# Altium PCB PiMX8MPIO_r0.1.PcbDoc (part 4 of 5) (continued)
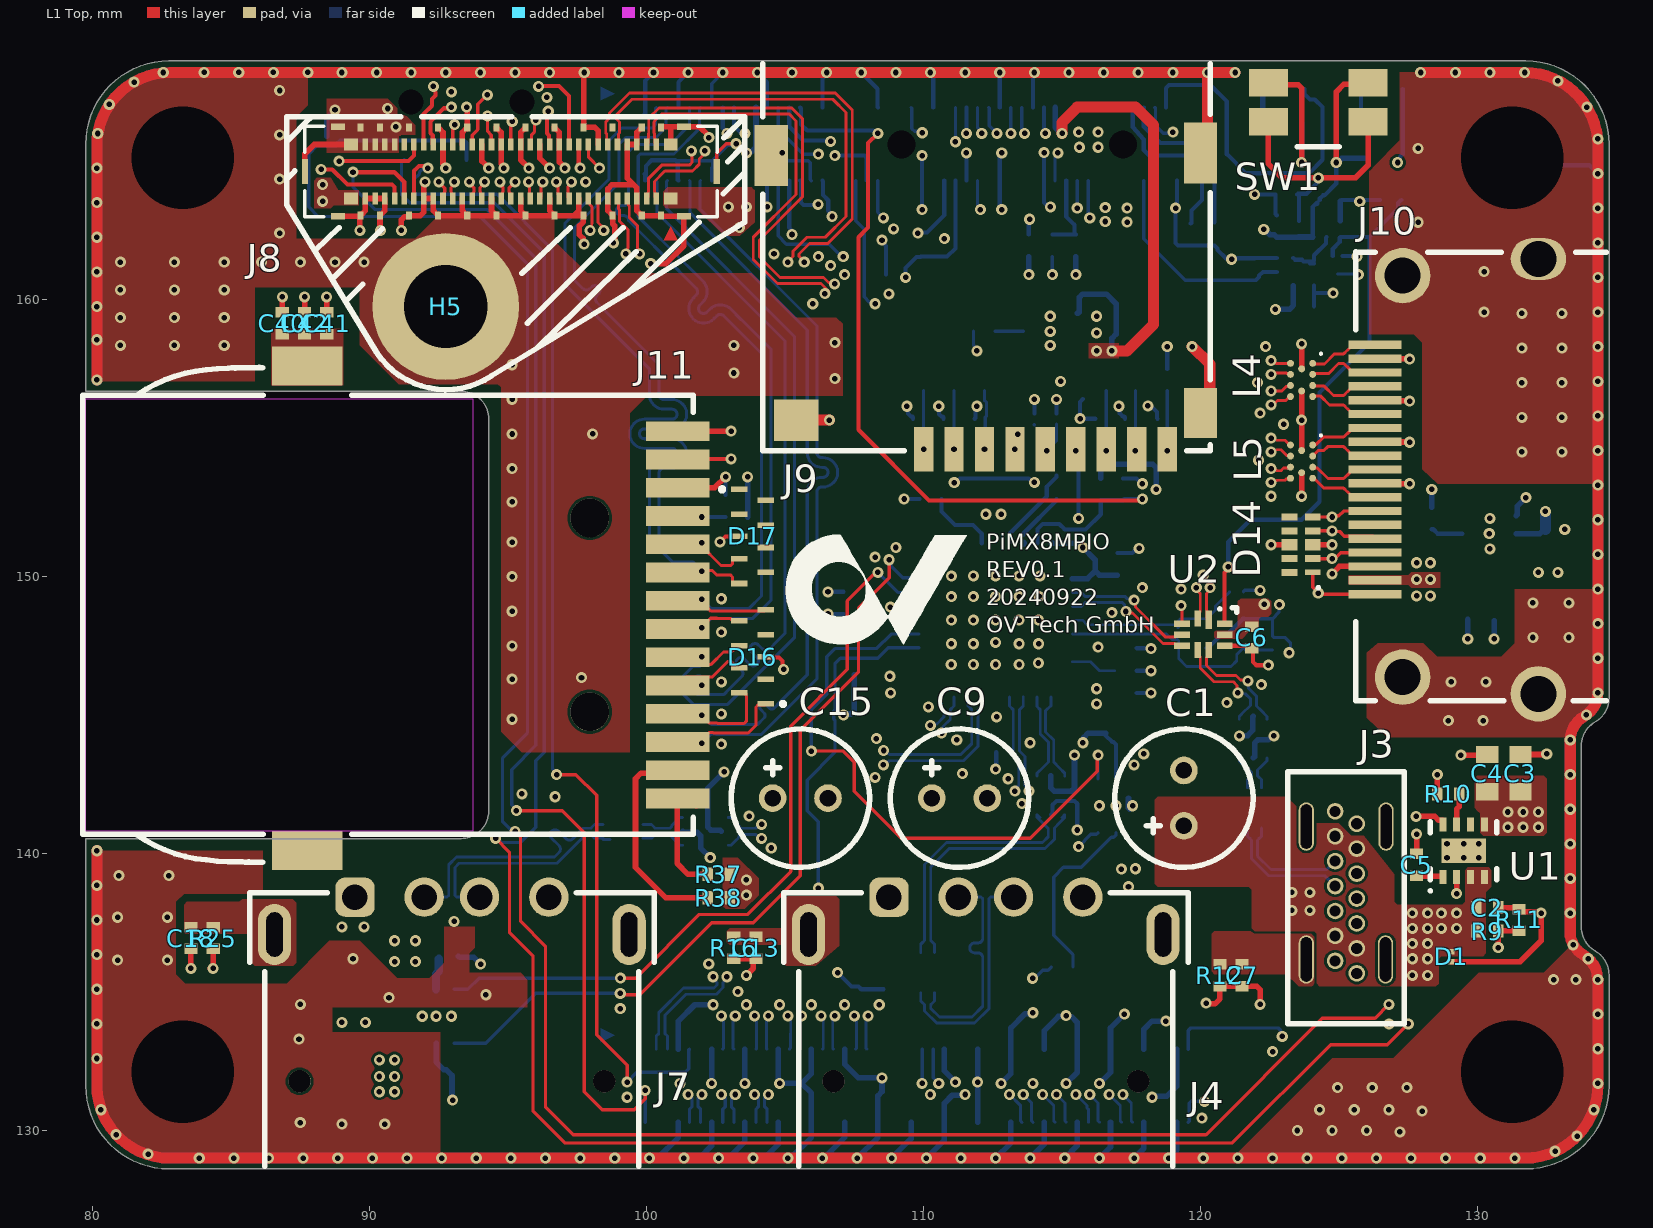
[diagram p0: L1 Top view]
## Nets (pads, with @x,y where several pads share a name; then routed paths per layer and width w, separated by ;. In a path a pad name is that pad's centre, name@x,y a point inside that pad or via, vN(x,y) a via of type N, cw(c..) or ccw(c..) an arc to the next point about the centre after c; other vN are vias at no path point) (continued)
  L3 SIG w0.102: v1(106.79,160.561) 106.838,160.513 106.838,160.313 107.562,159.588 107.562,148.034 107.988,147.609 109.238,147.609 109.362,147.484 110.738,146.109 110.862,145.984 110.862,144.749 110.703,144.589 110.703,144.399 v1(110.65,144.346)
  L8 SIG w0.103: v1(110.65,144.346) 110.707,144.403 110.707,144.585 110.962,144.84 110.962,145.188 111.1,145.326 U4.8@111.1,145.646
USB_FPC2_P: J8.2 U4.9 | length 35.6
  L1 Top w0.103: J8.2@100.35,165.596 100.302,165.645 100.302,165.815 100.287,165.83 100.287,165.999 100.273,166.013 100.273,166.41 100.287,166.423 100.287,166.446 100.537,166.696 105.15,166.696 105.4,166.446 105.4,163.796 103.85,162.246 103.85,161.446 104.723,160.573 106.294,160.573 v1@106.561,160.307
  L3 SIG w0.102: v1(106.44,160.211) 106.488,160.163 106.688,160.163 107.35,159.501 107.35,147.946 107.9,147.396 109.15,147.396 109.5,147.046 109.536,147.01 109.785,146.761 cw(c109.661,146.636) 109.785,146.512 109.668,146.395 ccw(c109.793,146.27) 109.668,146.146 ccw(c109.793,146.27) 109.918,146.146 110.035,146.263 cw(c110.159,146.138) 110.284,146.263 110.614,145.932 110.65,145.896 110.65,144.837 110.487,144.674 110.297,144.674 v1(110.244,144.621)
  L8 SIG w0.103: v1(110.244,144.621) 110.301,144.678 110.483,144.678 110.738,144.933 110.738,145.188 110.6,145.326 U4.9@110.6,145.646
USB_HSD1_N: U2.4 U4.30 | length 4.8
  L1 Top w0.103: v1(117.6,149.146) 117.65,149.097 117.65,148.901 118.742,147.808 119.075,147.808 119.163,147.896 U2.4@119.332,147.896
  L8 SIG w0.103: U4.30@115.375,149.421 115.696,149.421 115.834,149.283 117.267,149.283 117.354,149.196 117.55,149.196 v1(117.6,149.146)
USB_HSD1_P: U2.5 U4.31 | length 4.8
  L1 Top w0.103: v1(117.303,148.735) 117.353,148.685 117.549,148.685 118.65,147.585 119.075,147.585 119.163,147.496 U2.5@119.332,147.496
  L8 SIG w0.103: U4.31@115.375,148.921 115.696,148.921 115.834,149.06 117.175,149.06 117.253,148.981 117.253,148.785 v1(117.303,148.735)
USB_HSD2_CON_N: J3.A7 J3.B7 L1.1 | length 7.8
  L3 SIG w0.102: J3.A7@124.86,139.721 125.875,139.721 126.1,139.496 126.1,137.931 J3.B7@125.64,137.471
  L8 SIG w0.103: L1.1@122.2,140.921 122.2,140.621 122.127,140.548 122.122,140.548 122.062,140.488 122.062,139.901 122.543,139.42 124.558,139.42 J3.A7@124.86,139.721
USB_HSD2_CON_P: J3.A6 J3.B6 L1.4 | length 5.6
  L3 SIG w0.102: J3.A6@124.86,138.821 124.913,138.768 125.243,138.768 J3.B6@125.64,138.371
  L8 SIG w0.103: L1.4@121.7,140.921 121.7,140.621 121.773,140.548 121.778,140.548 121.838,140.488 121.838,139.808 122.45,139.196 124.485,139.196 J3.A6@124.86,138.821
USB_HSD2_ESD_N: D3.1 L1.2 | length 1.3
  L8 SIG w0.103: L1.2@122.2,142.371 122.2,142.671 122.127,142.745 122.122,142.745 122.062,142.805 122.062,143.008 122.192,143.138 122.4,143.346 D3.1@122.4,143.446
USB_HSD2_ESD_P: D3.3 L1.3 | length 1.3
  L8 SIG w0.103: D3.3@121.4,143.446 121.4,143.346 121.608,143.138 121.691,143.055 121.728,143.055 121.838,142.944 121.838,142.805 121.778,142.745 121.773,142.745 121.7,142.671 L1.3@121.7,142.371
USB_HSD2_N: D3.6 U2.6 | length 4
  L1 Top w0.103: U2.6@120.3,147.346 120.3,147.177 120.212,147.089 120.212,146.785 120.577,146.42 121.28,146.42 121.441,146.26 121.678,146.26 v1(121.707,146.231)
  L8 SIG w0.103: v1(121.707,146.231) 121.736,146.202 121.736,145.964 122.023,145.677 122.023,145.323 122.192,145.155 122.4,144.946 D3.6@122.4,144.846
USB_HSD2_P: D3.4 U2.7 | length 4
  L1 Top w0.103: U2.7@119.9,147.346 119.9,147.177 119.988,147.089 119.988,146.692 120.484,146.196 121.188,146.196 121.321,146.063 121.321,145.825 v1(121.35,145.796)
  L8 SIG w0.103: v1(121.35,145.796) 121.379,145.768 121.617,145.768 121.8,145.584 121.8,145.346 121.692,145.238 121.608,145.155 121.4,144.946 D3.4@121.4,144.846
USB_HUB_NRESET: C19.1 J1.29 R24.1 U4.26 | length 31.1
  L1 Top w0.15: v1(108.35,165.996) 108,165.646 108,162.596 107.65,162.246 107.65,155.296 110.2,152.746 117.737,152.746 117.739,152.749 117.852,152.749 v1(117.9,152.796)
  L8 SIG w0.15: J1.29@105.55,166.932 105.575,166.907 105.575,166.321 105.8,166.096 108.182,166.096 108.282,165.996 v1(108.35,165.996) ; U4.26@114.1,151.196 114.114,151.21 114.114,151.709 114.302,151.896 114.9,151.896 115.1,151.696 115.85,151.696 116.4,152.246 R24.1@116.4,152.751 C19.1@117.2,152.751 117.245,152.796 v1(117.9,152.796)
USB_MUX_SEL: Q1.1 R19.2 U2.10 U8.5 | length 20.9
  L1 Top w0.15: U2.10@120.868,148.296 120.868,150.147 121,150.279 v1(121,150.346)
  L8 SIG w0.15: v1(121,150.346) 121,151.246 121.8,152.046 123.65,152.046 124.3,152.696 124.3,156.646 126.1,158.446 126.1,162.256 ; Q1.1@124.775,161.571 124.775,161.821 125.025,162.071 125.025,162.231 U8.5@125.05,162.256 126.1,162.256 ; R19.2@127.245,163.596 127.13,163.481 127.13,163.286 126.1,162.256
USB_RBIAS: R27.2 U4.35 | length 1.7
  L8 SIG w0.1: U4.35@115.375,146.921 116.025,146.921 116.35,146.596 R27.2@116.905,146.596
USB_XTAL_IN: C24.1 R26.1 U4.33 XTAL1.1 | length 8.5
  L8 SIG w0.1: U4.33@115.375,147.921 118.775,147.921 118.975,147.721 119.166,147.721 R26.1@119.216,147.671 119.216,147.03 119.5,146.746 121.1,146.746 121.309,146.955 121.309,147.186 121.544,147.421 121.619,147.346 C24.1@122.6,147.346
USB_XTAL_OUT: C25.1 R26.2 U4.32 XTAL1.3 | length 6.6
  L8 SIG w0.1: U4.32@115.375,148.421 115.734,148.421 115.899,148.256 119.131,148.256 R26.2@119.216,148.171 ; R26.2@119.191,148.146 119.201,148.156 119.201,148.398 119.275,148.471 XTAL1.3@120.225,148.471 120.541,148.788 120.541,148.938 120.95,149.346 120.965,149.346 121.05,149.431 C25.1@121.05,149.446
VBUS: C1.1 C2.1 D1.1 D3.2 J3.A4 J3.A9 J3.B4 J3.B9 R9.2 U1.3 U1.4 | length 7.5
  L5 (PWR) w0.2: v1(122.65,144.246) 122.62,144.216 122.62,143.969 122.45,143.799 122.45,139.396 123.25,138.596 v1(123.302,138.596)
  L8 SIG w0.2: D3.2@121.9,143.446 121.95,143.496 121.95,143.979 122.067,144.096 122.446,144.096 122.596,144.246 v1(122.65,144.246)
  other v1: 127.65,135.596 128.2,135.596 127.65,136.196 128.2,136.196 127.65,136.746 128.2,136.746 127.65,137.296 128.2,137.296 128.7,137.296 129.25,137.296 127.65,137.846 128.2,137.846 128.7,137.846 129.25,137.846 123.302,137.946 123.95,137.946 123.95,138.596
VBUS_DS1: C9.1 C10.1 C11.1 D4.5 J4.1 U3.1 | length 9.5
  L3 SIG w0.2: v1(115.45,143.546) 115.45,143.146 115.9,142.696 117.8,142.696 118.35,142.146 118.35,140.896 117.169,139.715 117.169,139.463 v1(117.141,139.436)
  L8 SIG w0.2: D4.5@114.6,142.796 114.6,142.364 114.717,142.246 115.333,142.246 115.45,142.364 v1@115.45,143.529
  other v1: 117.4,138.796 117.65,139.446
VBUS_DS2: C15.1 C16.1 C17.1 D5.5 J7.1 U5.1 | length 4.9
  L5 (PWR) w0.2: v1(102.8,142.946) 103.75,141.996 C15.1@104.55,141.996
  L8 SIG w0.2: D5.5@102.7,140.796 102.655,140.842 102.321,140.842 102.204,140.959 102.204,142.35 v1(102.8,142.946)
  other v1: 90.9,136.096 91.65,136.096 90.9,136.846 91.65,136.846 89,137.346 89.8,137.346
pads on no net: D14.6 D14.7 D14.9 D14.10 D16.2 D16.4 D17.1 D17.2 D17.6 D17.7 D17.8 D17.9 J1.16 J1.18 J1.19 J1.20 J1.31 J1.35 J1.36 J1.37 J1.38 J1.39 J1.41 J1.45 J1.46 J1.47 J1.48 J1.50 J1.51 J1.54 J1.55 J1.64 J1.68 J1.70 J1.72 J1.94 J1.96 J2.1 J2.4 J2.6 J2.11 J2.28 J2.30 J2.34 J2.36 J2.40 J2.42 J2.43 J2.45 J2.46 J2.47 J2.48 J2.49 J2.52 J2.54 J2.57 J2.58 J2.59 J2.60 J2.63 J2.64 J2.65 J2.66 J2.69 J2.71 J2.75 J2.77 J2.81 J2.83 J2.87 J2.89 J2.93 J2.94 J2.95 J2.96 J3.A5 J3.B5 J4.MH1 J4.MH2 J7.MH1 J7.MH2 J8.54 J9.19 J10.14 J11.MH1 J11.MH2 J11.Shell@87.75,140.102 SW_ON.22 SW_ON.MT U1.6 U4.11 U4.18 U4.19 U4.20 U4.21 U4.28 U6.3 U7.3 U8.3 U9.1 U9.5

## Polygon pours and split planes (outlines as drawn)
VBUS_DS1 on L8 SIG "NONET_L04_P-001" (solid, pour order 69): 117.7,141.046 117.5,141.046 117.4,140.946 117.4,140.519 116.8,140.052 116.8,138.496 118.15,138.496 118.15,140.296 117.8,140.646 117.8,140.946
GND on L8 SIG "NONET_L04_P-001" (solid, pour order 85): 127.2,168.196 127.2,165.746 126.1,164.646 126.1,158.746 127.7,158.746 128,158.446 128,153.878 128.561,153.346 134.3,153.346 134.35,153.296 134.35,165.796 133.95,166.946 133,167.896 131.7,168.196
GND on L8 SIG "NONET_L04_P-001" (solid, pour order 86): 87.774,168.201 82.554,168.201 81.4,167.846 80.184,166.63 80.184,157.063 80.2,157.046 85.85,157.046 85.85,160.446 89.65,160.446 89.65,158.346 91.05,156.946 94.632,156.946 94.75,156.828 94.75,144.396 95.5,144.396 95.55,160.946 93.8,162.696 92.14,162.696 91.64,162.196 87.35,162.196 87.35,166.596 87.774,167.02
GND on L8 SIG "NONET_L04_P-001" (solid, pour order 88): 133.4,136.696 132.4,135.696 130.05,135.696 126.95,132.596 124.75,132.596 121.349,129.196 121.349,129 131.349,129 132.8,129.246 133.599,129.796 134.2,130.746 134.35,131.696 134.35,135.446 133.984,136.212 133.5,136.696
GND on L8 SIG "NONET_L04_P-001" (solid, pour order 87): 83.849,129 82,129.146 80.85,129.846 80.15,130.896 80.15,140.096 86.15,140.096 86.15,138.696 86,138.546 83.3,138.546 83,138.246 83,135.646 83.35,135.296 87,135.296 87.2,135.496 88.2,135.496 88.2,133.446 88.85,133.446 88.85,129
VBUS_DS1 on L8 SIG "NONET_L04_P-001" (solid, pour order 54): 109.8,142.546 111,142.546 111,141.646 110.65,141.296 109.9,141.296 109.55,140.946 109.55,136.246 109,135.696 107.45,135.696 107.249,135.898 107.25,136.396 107.4,136.546 107.8,136.546 107.8,139.096 108.2,139.496 108.2,140.946
3V3 on L8 SIG "NONET_L04_P-001" (solid, pour order 32): 113.65,152.996 111.45,152.996 111.35,152.896 111.35,152.096 111.45,151.996 112,151.996 112.067,151.896 112.35,151.896 112.35,150.796 112.45,150.696 112.75,150.696 112.85,150.796 112.85,151.796 113.55,152.496 113.65,152.496 113.7,152.546 113.7,152.946
5V0 on L8 SIG "NONET_L04_P-001" (solid, pour order 27): 115,167.596 115,166.346 115.1,166.246 115.2,166.246 115.3,166.146 115.3,165.292 115.405,165.196 116.5,165.196 116.6,165.296 116.6,165.996 116.75,166.146 116.9,166.146 117,166.246 117.3,166.246 117.4,166.346 117.4,167.596
5V0 on L8 SIG "NONET_L04_P-001" (solid, pour order 53): 117.3,144.796 117.3,143.896 117.3,142.496 117.45,142.346 118.55,142.346 118.6,142.396 118.6,144.646 118.45,144.796
SD_POWER on L8 SIG "NONET_L04_P-001" (solid, pour order 0): 109.55,157.246 109.6,157.196 112.65,157.196 112.75,157.296 112.75,157.746 112.65,157.846 111.5,157.846 111.4,157.946 111.4,159.296 111.5,159.396 113,159.396 113.45,159.846 114.1,159.846 116.5,159.846 116.6,159.746 116.6,158.496 116.5,158.396 115.325,158.396 115.2,158.271 115.2,156.796 115.294,156.697 116,156.696 116.1,156.796 116.1,157.146 116.2,157.246 118,157.246 118.1,157.346 118.1,157.946 118,158.046 117.35,158.046 117.25,158.146 117.25,160.096 117,160.346 109.95,160.346 109.55,159.946
3V3 on L8 SIG "NONET_L04_P-001" (solid, pour order 42): 109.2,146.646 110.3,146.646 110.35,146.596 110.35,146.246 110.2,146.096 109.4,146.096 109.25,145.946 109.25,145.296 109.1,145.146 108.05,145.146 107.95,145.246 107.95,146.746 108.05,146.846 109,146.846
3V3 on L8 SIG "NONET_L04_P-001" (solid, pour order 41): 114.95,146.646 114.85,146.546 114.85,146.296 115,146.146 115.65,146.146 115.7,146.096 115.7,145.246 115.9,145.046 117.1,145.046 117.2,145.146 117.2,146.096 117.1,146.196 116.4,146.196 115.95,146.646
3V3 on L8 SIG "NONET_L04_P-001" (solid, pour order 38): 110.2,149.146 110.35,148.996 110.35,148.346 110.25,148.246 108.4,148.246 108.2,148.046 108.2,147.696 108.05,147.546 107.65,147.546 107.6,147.596 107.6,149.746 107.65,149.796 108.2,149.796 108.35,149.646 108.35,149.446 108.65,149.146
3V3 on L8 SIG "NONET_L04_P-001" (solid, pour order 36): 114.85,147.296 114.95,147.196 116.15,147.196 116.25,147.096 117.1,147.096 117.2,147.196 117.2,147.646 117.1,147.746 116.25,147.746 116.15,147.646 114.95,147.646 114.85,147.546
3V3 on L8 SIG "NONET_L04_P-001" (solid, pour order 34): 112.5,146.146 112.4,146.046 112.4,144.846 112.3,144.746 112.3,144.146 112.35,144.096 112.9,144.096 112.95,144.146 112.95,144.746 112.85,144.846 112.85,146.046 112.75,146.146
1V8 on L8 SIG "NONET_L04_P-001" (solid, pour order 31): 117.05,164.896 117,164.846 117,163.146 117.1,163.046 117.1,162.496 117.6,162.496 117.6,163.046 117.7,163.146 117.7,164.846 117.65,164.896
3V3 on L8 SIG "NONET_L04_P-001" (solid, pour order 29): 116.25,164.896 116.2,164.846 116.2,163.146 116.3,163.046 116.3,162.496 116.8,162.496 116.8,163.046 116.9,163.146 116.9,164.846 116.85,164.896
VBUS_DS2 on L8 SIG "NONET_L04_P-001" (solid, pour order 26): 91.95,134.846 92.05,134.946 92.05,137.196 91.95,137.296 90.46,137.296 90.35,137.406 90.35,139.146 90.25,139.246 88.69,139.246 88.6,139.156 88.6,134.946 88.7,134.846 90.65,134.846
5V0 on L8 SIG "NONET_L04_P-001" (solid, pour order 23): 92,133.396 92,130.846 91.9,130.746 91.6,130.746 90.15,130.746 90.05,130.846 90.05,132.446 90.05,133.396 90.15,133.496 91.05,133.496 91.9,133.496
5V0 on L8 SIG "NONET_L04_P-001" (solid, pour order 22): 131.15,151.196 131.05,151.096 131.05,150.646 131.15,150.546 131.35,150.546 131.75,150.546 131.85,150.446 131.85,149.896 131.95,149.796 133.2,149.796 133.3,149.896 133.3,151.196 133.2,151.296 131.95,151.296 131.85,151.196
HDMI_5V on L8 SIG "NONET_L04_P-001" (solid, pour order 20): 127.55,150.146 127.55,149.696 127.65,149.596 128.95,149.596 129.05,149.496 129.05,148.896 129.15,148.796 131.35,148.796 131.45,148.896 131.45,150.446 131.35,150.546 129.9,150.546 129.9,150.596 129.8,150.696 129.8,151.096 129.7,151.196 128.9,151.196 128.8,151.096 128.8,150.296 128.7,150.196 127.6,150.196
NetC7_1 on L8 SIG "NONET_L04_P-001" (solid, pour order 16): 123.5,140.096 123.4,140.196 123.4,142.296 123.5,142.396 127.15,142.396 127.25,142.296 127.25,134.996 127.15,134.896 123.45,134.896 123.35,134.996 123.35,137.096 123.45,137.196 124.2,137.196 124.3,137.096 124.3,135.346 124.4,135.246 126.15,135.246 126.25,135.346 126.25,141.896 126.15,141.996 124.4,141.996 124.3,141.896 124.3,140.196 124.2,140.096
GND on L8 SIG "NONET_L04_P-001" (solid, pour order 7): 88.625,134.646 88.525,134.546 88.525,133.746 88.625,133.646 90.175,133.646 90.275,133.746 90.275,134.546 90.175,134.646
SD_VCC on L8 SIG "NONET_L04_P-001" (solid, pour order 4): 113.85,158.446 113.8,158.496 113.2,158.496 113.1,158.396 113.1,155.196 113,155.096 113,154.246 113.1,154.146 113.75,154.146 113.85,154.246 113.85,155.146 113.95,155.246 114.1,155.246 114.2,155.346 114.2,155.596 114.1,155.696 113.85,155.696 113.75,155.796 113.75,156.646 113.85,156.746
GND on L8 SIG "NONET_L04_P-001" (solid, pour order 3): 114.15,156.696 115.1,156.696 115.2,156.796 115.2,159.746 115.1,159.846 114.05,159.846 113.95,159.746 113.95,157.646 113.95,157.546 114.05,157.446 114.05,156.796
GND on L8 SIG "NONET_L04_P-001" (solid, pour order 2): 115.35,159.146 115.25,159.046 115.25,158.496 115.35,158.396 116.5,158.396 116.6,158.496 116.6,159.746 116.5,159.846 116.1,159.846 116,159.746 116,159.246 115.9,159.146
GND on L1 Top "NONET_L04_P-001" (solid, pour order 90): 87.774,168.201 82.554,168.201 81.4,167.846 80.184,166.63 80.184,157.063 80.2,157.046 85.85,157.046 85.85,160.446 89.65,160.446 89.65,158.346 91.05,156.946 94.632,156.946 94.75,156.828 94.75,144.396 95.5,143.646 99.4,143.646 99.4,155.896 100.05,156.546 100.075,156.521 107.075,156.521 107.075,159.121 106.85,159.346 105.4,159.346 103.8,160.946 103.7,160.946 97.85,160.946 96.675,162.121 96.675,163.031 92.475,163.031 91.64,162.196 87.35,162.196 87.35,166.596 87.774,167.02
VBUS on L1 Top "NONET_L04_P-001" (solid, pour order 18): 123.1,142.046 118.45,142.046 118.35,141.946 118.35,138.896 118.45,138.796 121.75,138.796 121.85,138.696 121.85,137.296 121.95,137.196 124.1,137.196 124.2,137.096 124.2,135.309 124.29,135.196 128.5,135.196 128.6,135.296 128.6,136.196 128.7,136.296 130.2,136.296 130.3,136.396 130.3,138.596 130.5,138.796 130.5,139.396 130.4,139.496 129.65,139.496 129.55,139.396 129.55,138.246 129.45,138.146 127.1,138.146 127,138.246 127,139.246 125.9,140.646 125.45,140.646 125,141.096 123.95,141.096 123.45,141.596 123.45,141.696
NetC13_1 on L1 Top "NONET_L04_P-001" (solid, pour order 25): 103,137.296 102.9,137.196 102.9,136.796 103,136.696 104.85,136.696 104.95,136.596 104.95,136.046 105.05,135.946 105.8,135.946 106.105,135.946 106.95,136.662 106.95,138.346 106.85,138.446 105.1,138.446 105,138.346 105,137.446 104.85,137.296
GND on L1 Top "NONET_L04_P-001" (solid, pour order 89): 127.2,168.196 127.2,165.746 126.1,164.646 126.1,158.746 127.7,158.746 128,158.446 128,153.878 128.561,153.346 134.3,153.346 134.35,153.296 134.35,165.796 133.95,166.946 133,167.896 131.7,168.196
GND on L1 Top "NONET_L04_P-001" (solid, pour order 92): 133.4,136.696 132.4,135.696 130.05,135.696 126.95,132.596 124.75,132.596 121.349,129.196 121.349,129 131.349,129 132.8,129.246 133.599,129.796 134.2,130.746 134.35,131.696 134.35,135.446 133.984,136.212 133.5,136.696
GND on L1 Top "NONET_L04_P-001" (solid, pour order 91): 83.849,129 82,129.146 80.85,129.846 80.15,130.896 80.15,140.096 86.15,140.096 86.15,138.696 86,138.546 83.3,138.546 83,138.246 83,135.646 83.35,135.296 87,135.296 88.55,136.846 89.65,136.846 91,135.496 92.15,135.496 92.7,136.046 92.7,136.246 92.7,137.146 92.7,137.346 93.8,137.346 93.8,136.596 93.6,136.396 93.6,135.696 95.45,135.696 95.7,135.446 95.7,134.446 91.55,134.446 88.65,134.446 88.65,133.546 92.55,133.546 92.55,129
GND on L1 Top "NONET_L04_P-001" (solid, pour order 78): 134.35,145.796 134.35,149.546 131.35,149.546 131.35,147.596 130.85,147.096 128.55,147.096 128.05,147.596 126.4,147.596 126,147.246 126,144.896 126.75,144.196 127.15,144.196 133.25,144.196 133.35,144.096
SD_POWER on L1 Top "NONET_L04_P-001" (solid, pour order 57): 115.959,158.421 115.959,157.877 117.045,157.877 117.045,158.421
3V3 on L1 Top "NONET_L04_P-001" (solid, pour order 40): 100.75,164.046 100.6,163.896 100.6,163.396 100.7,163.296 101.8,163.296 102.8,162.296 103.364,162.296 103.9,162.788 103.9,163.946 103.8,164.046 101.75,164.046 101.65,164.046
NetC40_1 on L1 Top "NONET_L04_P-001" (solid, pour order 66): 86.45,158.946 86.45,156.896 89.05,156.896 89.05,158.946
GND on L1 Top "NONET_L04_P-001" (solid, pour order 65): 88.45,167.246 88.45,165.296 91.05,165.296 91.05,165.846 91.15,165.946 91.65,165.946 91.65,166.296 91.25,166.696 91,166.696 91,166.896 90.65,167.246 90.4,167.246
3V3 on L1 Top "NONET_L04_P-001" (solid, pour order 46): 122.45,149.196 122.55,149.096 122.55,148.646 122.45,148.546 122.2,148.546 122.1,148.446 122.1,147.996 121.75,147.996 121.5,147.746 120.55,147.746 120.5,147.796 120.5,147.996 120.55,148.046 121.2,148.046 121.35,148.196 121.35,149.096 121.45,149.196
5V0 on L1 Top "NONET_L04_P-001" (solid, pour order 12): 129.9,142.696 129.9,141.646 130,141.546 130.1,141.446 130.1,140.746 130.2,140.646 132.4,140.646 132.5,140.746 132.5,142.696 132.4,142.796 130,142.796
1V8 on L1 Top "NONET_L04_P-001" (solid, pour order 39): 89.6,163.946 89.6,163.396 88.7,163.396 88.6,163.296 88,163.296 88,163.446 88,164.296 88.1,164.396 88.6,164.396 88.87,163.946
3V3 on L1 Top "NONET_L04_P-001" (solid, pour order 35): 102.75,138.096 102.85,137.996 103.55,137.996 104.05,138.496 104.05,139.096 103.3,139.846 102.75,139.846 102.75,139.496
HDMI_5V on L1 Top "NONET_L04_P-001" (solid, pour order 21): 125.35,149.696 127.5,149.696 127.6,149.596 128.65,149.596 128.65,150.146 127.6,150.146 127.5,150.046 125.35,150.046
NetC7_1 on L1 Top "NONET_L04_P-001" (solid, pour order 19): 124.2,137.096 124.1,137.196 120.5,137.196 120.4,137.096 120.4,135.746 120.5,135.646 123.1,135.646 123.55,135.196 124.088,135.196 124.2,135.309
NetC18_1 on L1 Top "NONET_L04_P-001" (solid, pour order 5): 87.25,135.946 87.35,136.046 87.35,138.227 87.231,138.346 85.4,138.346 85.3,138.246 83.4,138.246 83.3,138.146 83.3,137.146 83.35,137.096 85.65,137.096 85.75,136.996 85.75,136.046 85.85,135.946
3V3 on L5 (PWR) "NONET_L04_P-001" (solid, remove dead copper, pour order 97): 80.15,157.096 80.184,157.13 80.184,165.994 80.6,167.046 81.5,167.846 82.55,168.196 131.7,168.196 132.9,167.896 133.85,166.946 133.95,166.946 134.35,165.796 134.35,145.796 133.95,145.005 133.35,144.096 133.35,137.846 133.45,136.696 133.984,136.212 134.35,135.446 134.35,131.696 134.2,130.746 133.6,129.796 132.8,129.246 131.349,129 83.849,129 82,129.146 80.85,129.846 80.3,130.746 80.15,132.596 80.15,140.096 94.65,140.146 94.65,157.046 94.6,157.096
VBUS_DS1 on L5 (PWR) "NONET_L04_P-001" (solid, pour order 51): 117.8,139.896 117.8,138.346 117.8,136.846 117.7,136.746 108.125,136.746 107.65,137.316 107.65,137.546 107.65,139.246 109.85,139.246 109.85,137.796 110.15,137.496 116.3,137.496 116.75,137.946 116.75,139.796 116.85,139.896
VBUS_DS2 on L5 (PWR) "NONET_L04_P-001" (solid, pour order 52): 105,142.696 105.15,142.546 105.15,141.646 104.853,141.349 104.103,141.349 101.1,138.346 99.15,138.346 97.1,136.296 95.8,136.296 92,136.296 91.5,135.796 90.4,135.796 89.5,136.696 88.5,136.696 88.3,136.896 88.3,137.346 88.55,137.596 90.7,137.596 91.1,137.196 94.45,137.196 94.55,137.096 96.3,137.096 101.9,142.696 102.75,142.696
GND on L5 (PWR) "NONET_L04_P-001" (solid, pour order 94): 130.45,168.196 129.2,168.196 129.2,154.046 134.054,154.046 134.35,154.342 134.35,165.796 133.95,166.946 133,167.896 131.7,168.196
5V0 on L5 (PWR) "NONET_L04_P-001" (solid, pour order 62): 134.35,154.046 126.4,154.046 125.75,153.396 125.75,144.096 128.05,141.796 129.25,141.796 130.6,140.446 133.35,140.446 133.35,142.846 133.35,144.096 133.963,145.034 134.35,145.796
5V0 on L5 (PWR) "NONET_L04_P-001" (solid, pour order 67): 117.7,144.496 117.45,144.496 117.3,144.331 117.3,142.696 117.45,142.546 118.65,142.546 118.8,142.696 118.8,144.346 118.65,144.496
VBUS on L5 (PWR) "NONET_L04_P-001" (solid, pour order 10): 123.1,142.046 118.55,142.046 118.45,141.946 118.45,140.646 118.7,140.396 121.85,140.396 121.85,137.296 121.95,137.196 124.1,137.196 124.2,137.096 124.2,135.309 124.29,135.196 128.5,135.196 128.6,135.296 128.6,136.196 128.7,136.296 130.2,136.296 130.3,136.396 130.3,138.146 129.45,138.146 127.1,138.146 127,138.246 127,139.246 125.9,140.646 125.45,140.646 125,141.096 123.95,141.096 123.45,141.596 123.45,141.696
5V0 on L5 (PWR) "NONET_L04_P-001" (solid, pour order 60): 115.399,166.597 115.299,166.497 115.299,165.098 115.4,164.996 116.454,164.996 116.605,165.147 116.605,166.464 116.469,166.6
5V0 on L5 (PWR) "NONET_L04_P-001" (solid, pour order 56): 130.75,142.046 130.6,141.896 130.6,140.546 130.7,140.446 132.6,140.446 132.7,140.546 132.7,141.946 132.6,142.046
5V0 on L5 (PWR) "NONET_L04_P-001" (solid, pour order 50): 90.1,133.146 89.95,132.996 89.95,131.096 90.1,130.946 91.3,130.946 91.45,131.096 91.45,132.996 91.3,133.146
1V8 on L5 (PWR) "NONET_L04_P-001" (solid, pour order 49): 88.15,164.446 88,164.296 88,163.396 88.15,163.246 88.5,163.246 88.65,163.396 88.65,164.346 88.55,164.446
1V8 on L5 (PWR) "NONET_L04_P-001" (solid, pour order 48): 117,163.596 117,162.446 117.6,162.446 117.6,163.596
SD_POWER on L5 (PWR) "NONET_L04_P-001" (solid, pour order 33): 115.975,158.496 115.875,158.396 115.875,157.896 115.975,157.796 117.025,157.796 117.125,157.896 117.125,158.396 117.025,158.496
GND on L3 SIG "NONET_L04_P-001" (solid, pour order 75): 83.849,129 82,129.146 80.85,129.846 80.15,130.896 80.15,140.096 86.15,140.096 86.15,138.696 86,138.546 83.3,138.546 83,138.246 83,135.646 83.35,135.296 87,135.296 88.55,136.846 89.65,136.846 91,135.496 92.15,135.496 92.7,136.046 92.7,136.246 92.7,137.146 92.7,137.346 93.8,137.346 93.8,136.596 93.6,136.396 93.6,135.696 94.45,135.696 94.45,134.446 91.55,134.446 88.65,134.446 88.65,133.546 92.55,133.546 92.55,129
GND on L3 SIG "NONET_L04_P-001" (solid, pour order 76): 127.2,168.196 127.2,165.746 126.1,164.646 126.1,158.746 127.7,158.746 128,158.446 128,153.878 128.561,153.346 134.3,153.346 134.35,153.296 134.35,165.796 133.95,166.946 133,167.896 131.7,168.196
GND on L3 SIG "NONET_L04_P-001" (solid, pour order 83): 133.4,136.696 132.4,135.696 130.05,135.696 126.95,132.596 124.75,132.596 121.349,129.196 121.349,129 131.349,129 132.8,129.246 133.599,129.796 134.2,130.746 134.35,131.696 134.35,135.446 133.984,136.212 133.5,136.696
GND on L3 SIG "NONET_L04_P-001" (solid, pour order 79): 87.774,168.201 82.554,168.201 81.4,167.846 80.184,166.63 80.184,157.063 80.2,157.046 85.85,157.046 85.85,160.446 90,160.446 90,157.996 91.05,156.946 94.7,156.946 95.4,156.946 95.4,163.031 92.235,163.031 91.4,162.196 87.35,162.196 87.35,166.596 87.774,167.02
VBUS_DS1 on L3 SIG "NONET_L04_P-001" (solid, pour order 70): 118.975,140.296 119.9,140.296 120.05,140.146 120.05,139.246 119.9,139.096 118.95,139.096 118.8,139.246 118.8,140.121
GND on L6 SIG "NONET_L04_P-001" (solid, pour order 81): 87.774,168.201 82.554,168.201 81.4,167.846 80.184,166.63 80.184,157.063 80.2,157.046 85.85,157.046 85.85,160.446 89.65,160.446 89.65,158.346 91.05,156.946 94.632,156.946 94.75,156.828 94.75,144.396 95.5,143.646 98.062,143.646 98,157.063 93.832,161.61 93.2,162.196 91.64,162.196 87.35,162.196 87.35,166.596 87.774,167.02
GND on L6 SIG "NONET_L04_P-001" (solid, pour order 80): 127.2,168.196 127.2,165.746 126.1,164.646 126.1,158.746 127.7,158.746 128,158.446 128,153.878 128.561,153.346 134.3,153.346 134.35,153.296 134.35,165.796 133.95,166.946 133,167.896 131.7,168.196
GND on L6 SIG "NONET_L04_P-001" (solid, pour order 84): 133.4,136.696 132.4,135.696 130.05,135.696 126.95,132.596 124.75,132.596 121.349,129.196 121.349,129 131.349,129 132.8,129.246 133.599,129.796 134.2,130.746 134.35,131.696 134.35,135.446 133.984,136.212 133.5,136.696
GND on L6 SIG "NONET_L04_P-001" (solid, pour order 82): 83.849,129 82,129.146 80.85,129.846 80.15,130.896 80.15,140.096 86.15,140.096 86.15,138.696 86,138.546 83.3,138.546 83,138.246 83,135.646 83.35,135.296 87,135.296 87.2,135.496 88.65,135.496 88.65,134.446 88.65,133.546 92.55,133.546 92.55,129
GND on L2 GND "NONET_L04_P-001" (solid, remove dead copper, pour order 93): 80.15,157.096 80.184,157.13 80.184,165.994 80.6,167.046 81.5,167.846 82.55,168.196 131.7,168.196 132.9,167.896 133.85,166.946 133.95,166.946 134.35,165.796 134.35,145.796 133.95,145.005 133.35,144.096 133.35,137.846 133.45,136.696 133.984,136.212 134.35,135.446 134.35,131.696 134.2,130.746 133.6,129.796 132.8,129.246 131.349,129 83.849,129 82,129.146 80.85,129.846 80.3,130.746 80.15,132.596 80.15,140.096 94.65,140.146 94.65,157.046 94.6,157.096
GND on L4 GND "NONET_L04_P-001" (solid, remove dead copper, pour order 95): 80.15,157.096 80.184,157.13 80.184,165.994 80.6,167.046 81.5,167.846 82.55,168.196 131.7,168.196 132.9,167.896 133.85,166.946 133.95,166.946 134.35,165.796 134.35,145.796 133.95,145.005 133.35,144.096 133.35,137.846 133.45,136.696 133.984,136.212 134.35,135.446 134.35,131.696 134.2,130.746 133.6,129.796 132.8,129.246 131.349,129 83.849,129 82,129.146 80.85,129.846 80.3,130.746 80.15,132.596 80.15,140.096 94.65,140.146 94.65,157.046 94.6,157.096
GND on L7 GND "NONET_L04_P-001" (solid, remove dead copper, pour order 96): 80.15,157.096 80.184,157.13 80.184,165.994 80.6,167.046 81.5,167.846 82.55,168.196 131.7,168.196 132.9,167.896 133.85,166.946 133.95,166.946 134.35,165.796 134.35,145.796 133.95,145.005 133.35,144.096 133.35,137.846 133.45,136.696 133.984,136.212 134.35,135.446 134.35,131.696 134.2,130.746 133.6,129.796 132.8,129.246 131.349,129 83.849,129 82,129.146 80.85,129.846 80.3,130.746 80.15,132.596 80.15,140.096 94.65,140.146 94.65,157.046 94.6,157.096

## Other copper
L1 Top:
  text ".Layer_Name" at 75.177,31.467 h2.5
L2 GND:
  text ".Layer_Name" at 74.327,31.05 h2.5